# Altium PCB Mynd_Batt.PcbDoc
Units mm, origin at the board's own origin, x right, y up, seen from the top; angles counter-clockwise.
Board outline 41 x 21 mm, 2 copper layers (Component Side, Solder Side), stack 1.58 mm thick; 15 components, 4 nets, 66 pads, 30 vias.
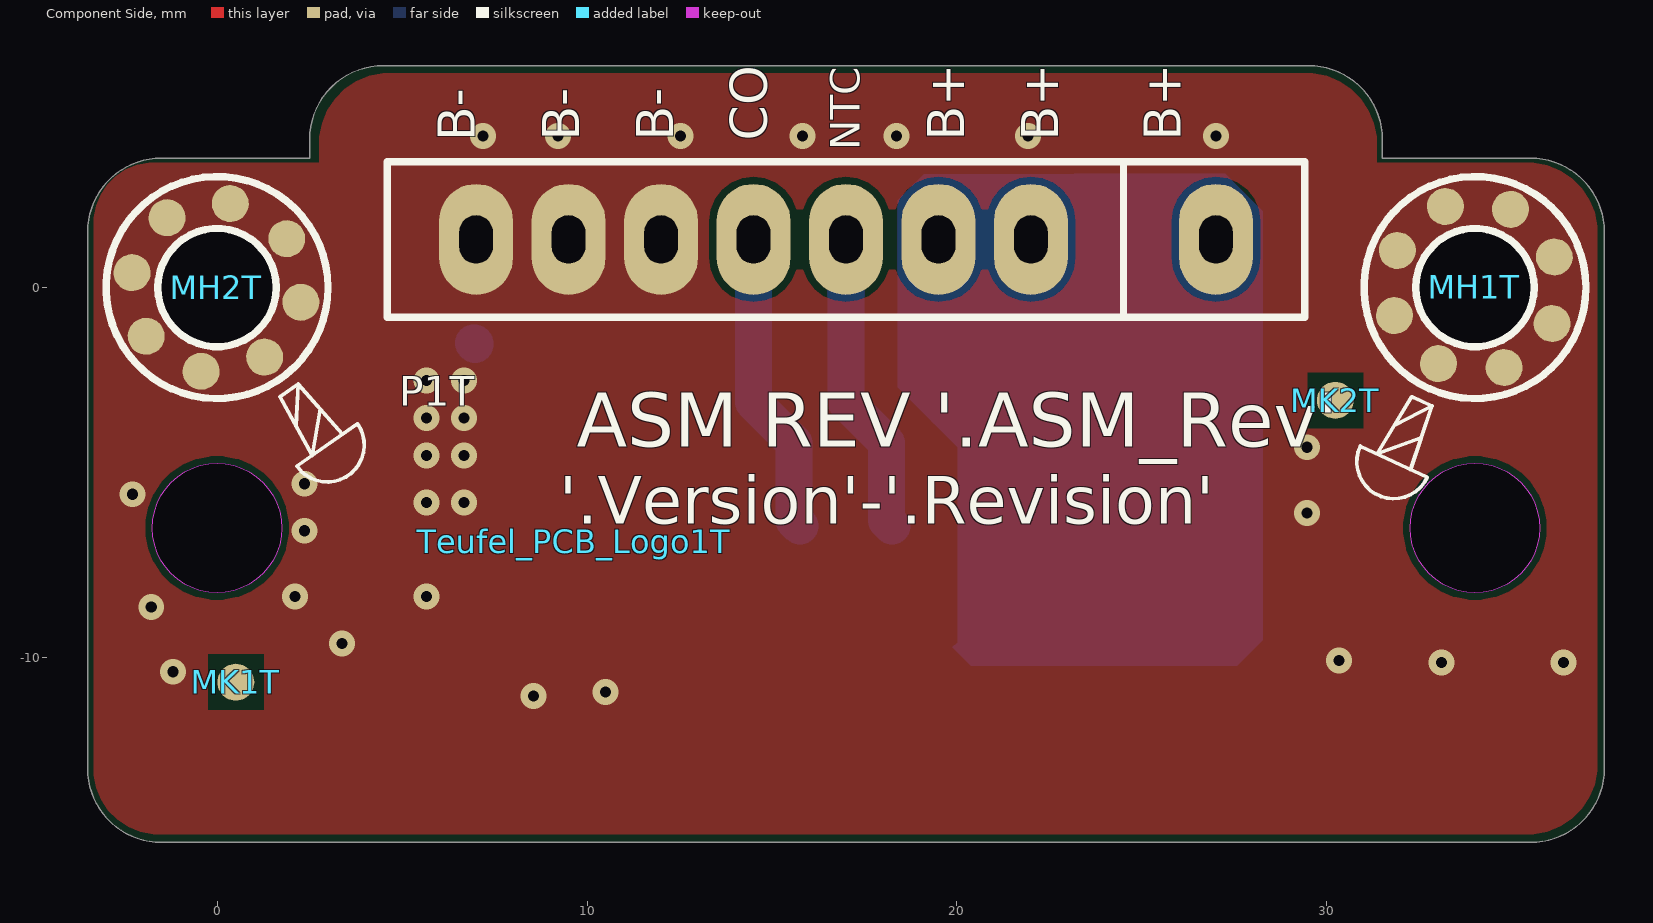
[diagram p0: Component Side view]
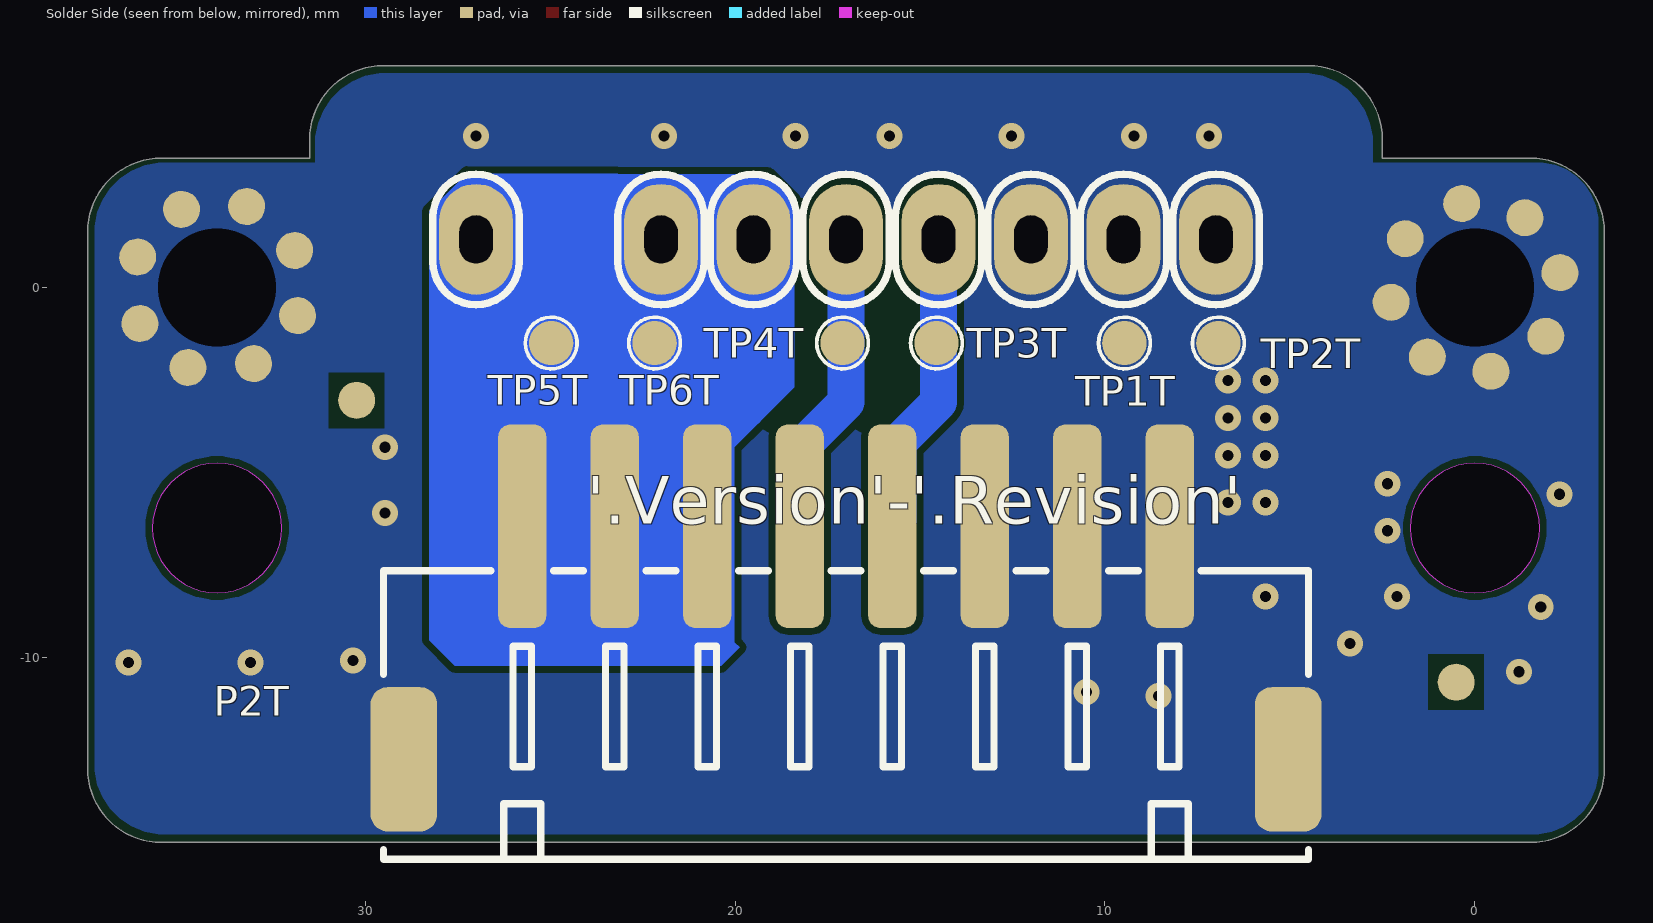
[diagram p1: Solder Side view, seen from below]

## Layer stack, top to bottom
Top Solder: solder mask 0.0102, Solder Resist, Dk 3.5
Component Side: signal copper 0.035
Dielectric1: core 1.5097, FR-4, Dk 4.2
Solder Side: signal copper 0.035
Bottom Solder: solder mask 0.0102, Solder Resist, Dk 3.5

## Board outline
-3.5,-13 -3.5,1.5 cw(c-1.5,1.5) -1.5,3.5 2.5,3.5 2.5,4 cw(c4.5,4) 4.5,6 29.5,6 cw(c29.5,4) 31.5,4 31.5,3.5 35.5,3.5 cw(c35.5,1.5) 37.5,1.5 37.5,-13 cw(c35.5,-13) 35.5,-15 -1.5,-15 cw(c-1.5,-13)
cut-out: 34,-8.25 cw(c34,-6.5) 32.25,-6.5 cw(c34,-6.5) 34,-4.75 cw(c34,-6.5) 35.75,-6.5 cw(c34,-6.5)
cut-out: 0,-8.25 cw(c0,-6.5) -1.75,-6.5 cw(c0,-6.5) 0,-4.75 cw(c0,-6.5) 1.75,-6.5 cw(c0,-6.5)

## Design rules (kind name [scope] priority, off if disabled: settings)
AssemblyTestPointUsage [HasFootprint('PAD-NDK-06')] p1:
AssemblyTestpoint [HasFootprint('PAD-NDK-06')] p1: testpointundercomponent=TRUE minsize=1.016 maxsize=2.54 preferedsize=1.524 minholesize=0 maxholesize=1.016 preferedholesize=0.813 testpointgrid=0.025 usegrid=TRUE gridtolerance=0 allowsidetop=TRUE allowsidebottom=TRUE
Clearance [All] p1: gap=0.18 ignorepadtopadclearanceinfootprint=FALSE
Clearance Clearance_Poly [All] p2 off: gap=0.25 ignorepadtopadclearanceinfootprint=FALSE // Protel DXP Scope 1 Expression Was: InPoly
ComponentClearance ComponentClearance_Termofühler [HasFootprint('SOP65P1420X360_HS-44N') vs HasFootprint('TO-92_MCP9700')] p1: gap=0 collisioncheckmode=3 verticalgap=0.254 showdistances=FALSE
ComponentClearance ComponentClearance_Testpoint [InComponent('TP*')] p2: gap=0 collisioncheckmode=3 verticalgap=0.254 showdistances=FALSE
ComponentClearance ComponentClearance_MC16 [OnLayer('Component Side')] p3: gap=0 collisioncheckmode=3 verticalgap=0.254 showdistances=FALSE
ComponentClearance ComponentClearance_1 [All] p4: gap=0.2 collisioncheckmode=3 verticalgap=0.254 showdistances=FALSE
ComponentClearance ComponentClearance_Stiftleiste [HasFootprint('1X04RM254') vs HasFootprint('1X02RM254')] p5: gap=0 collisioncheckmode=3 verticalgap=0.254 showdistances=FALSE
FabricationTestpoint [All] p1: side=3 testpointundercomponent=TRUE minsize=0.5 maxsize=2.54 preferedsize=1.524 minholesize=0 maxholesize=1.016 preferedholesize=0.813 testpointgrid=0.025 allowsidetop=TRUE allowsidebottom=TRUE usegrid=TRUE gridtolerance=0
FanoutControl Fanout_LCC [All] p1 off: bgadir=Out bgaviamode=Centered fanoutstyle=Auto fanoutdirection=Alternating viagrid=0.025 // Protel DXP Scope 1 Expression Was: IsLCC   Fanout_LCC (Default Rule)
FanoutControl Fanout_BGA [All] p2 off: bgadir=Out bgaviamode=Centered fanoutstyle=Auto fanoutdirection=Alternating viagrid=0.025 // Protel DXP Scope 1 Expression Was: IsBGA   Fanout_BGA (Default Rule)
FanoutControl Fanout_SOIC [All] p3 off: bgadir=Out bgaviamode=Centered fanoutstyle=Auto fanoutdirection=Alternating viagrid=0.025 // Protel DXP Scope 1 Expression Was: IsSOIC   Fanout_SOIC (Default Rule)
FanoutControl Fanout_Default [All] p4: bgadir=Out bgaviamode=Centered fanoutstyle=Auto fanoutdirection=Alternating viagrid=0.025 // Fanout_Default (Default Rule)
FanoutControl Fanout_Small [All] p5 off: bgadir=Out bgaviamode=Centered fanoutstyle=Auto fanoutdirection=Alternating viagrid=0.025 // Protel DXP Scope 1 Expression Was: (CompPinCount < 5)   Fanout_Small (Default Rule)
HoleSize [All] p1: absolutevalues=TRUE maxlimit=8 minlimit=0.25 maxpercent=80.000 minpercent=20.000
NetAntennae [All] p1 off: netantennaetolerance=0
PlaneClearance [All] p1: clearance=0.3
PlaneConnect [All] p1: planeconnectstyle=Relief reliefexpansion=0.508 reliefentries=4 reliefconductorwidth=0.5 reliefairgap=0.254
PolygonConnect [All] p1: connectstyle=Direct reliefconductorwidth=0.5 reliefentries=4 polygonreliefangle="45 Angle" airgapwidth=0.254
PolygonConnect PolygonConnect_direct_stepup [All] p2 off: connectstyle=Direct reliefconductorwidth=0.254 reliefentries=4 polygonreliefangle="90 Angle" airgapwidth=0.254 // Protel DXP Scope 1 Expression Was: (InNet('NETC548_1') AND IsNamedPolygon('BOT_STEPUP_L502OUT')) OR (InNet('NetL502_1') AND IsNamedPolygon('BOT_STEPUP_L502IN')) OR     (InNet('NetC504_2') AND IsNamedPolygon('BOT_STEPUP_IN')) OR   (InNet('24V') AND IsNamedPolygon('BOT_STEPUP_24VOUT')) OR (InNet('GND') AND (IsNamedPolygon('BOT_STEPUP_GND') OR                     IsNamedPolygon('BOT_GLOBAL_GND') OR                                    IsNamedPolygon('TOP_GLOBAL_GND')                   ) )
PolygonConnect PolygonConnect_VIA [All] p3 off: connectstyle=Direct reliefconductorwidth=0.2 reliefentries=4 polygonreliefangle="90 Angle" airgapwidth=0.254 // Protel DXP Scope 1 Expression Was: isVia  or HasFootprint('HOLE_3.2_6.0') or  HasFootprint('CAPPR750W80D1600H2500') or HasFootprint('JST_B6P-VH-FB-B') or HasFootprint('JST_B2P-VH-FB-B') or HasFootprint('TE_1734366-3')
PolygonConnect PolygonConnect_direct [All] p4 off: connectstyle=Direct reliefconductorwidth=0.254 reliefentries=4 polygonreliefangle="90 Angle" airgapwidth=0.254 // Protel DXP Scope 1 Expression Was: InNet('OUT_A') or InNet('OUT_B') or InNet('OUT_C') or InNet('OUT_D') or InNet('SW1_N') or InNet('SW1_P') or InNet('SW2_N') or InNet('SW2_P') or InNet('NetC500_1') or InNet('NetC500_2') or IsNamedPolygon('BOTTOM_-5V_GND') or IsNamedPolygon('BOTTOM_5V_GND') or IsNamedPolygon('BOTTOM_3V3_GND') or IsNamedPolygon('TOP_24V') or IsNamedPolygon('BOT_5VChg_SW_Node') or ((InNet('41V')) and IsSMTPin)
PolygonConnect PolygonConnect_GND_RC_1 [All] p5 off: connectstyle=Relief reliefconductorwidth=0.5 reliefentries=4 polygonreliefangle="90 Angle" airgapwidth=0.254 // Protel DXP Scope 1 Expression Was: IsNamedPolygon('GND_RC_1')
RoutingVias [All] p1: holewidth=0.3 width=0.7 viastyle="Through Hole" minholewidth=0.25 minwidth=0.5 maxholewidth=6 maxwidth=8
ShortCircuit ShortCircuit_C_Open_GND [InNet('C_OPEN')] p2: allowed=TRUE
SilkToSolderMaskClearance [All] p1 off: minsilkscreentomaskgap=0.254 clearancetoexposedcopper=TRUE // Protel DXP Scope 1 Expression Was: IsPad
SolderMaskExpansion [All] p1: expansion=0.102 istentingtop=FALSE
SupplyNets "Schematic Supply Nets" [InNet('Bat-')] p1: voltage=0.000
Width [All] p1: maxlimit=20 minlimit=1 preferedwidth=1
16 further rules are at their usual default settings.

## Components (designator, comment, footprint, x,y, rotation, side; value= is the part's Value field where it differs from the comment)
MH1T "SCREW_HOLE" SCREW_D30 34,0 r200 top
MH2T "SCREW_HOLE" SCREW_D30 0,0 r260 top
MK1T "MARK" MARK 0.508,-10.668 r90 top
MK2T "MARK" MARK 30.226,-3.048 r90 top
P1T "8P PITCH=2.5mm" TSB1_05282 27,1.3 r180 top value="8P PITCH=2.5mm"
P2T "WT250MW-084R-0W" CON_250_SMD_H_8P 17,-11.2 r0 bottom locked
Teufel_ASM_Label1T "3.1" Teufel_ASM_Rev 11.781,-37.515 r0 top
Teufel_Copyright1T "2023" TEUFEL_COPYRIGHT 49.125,-44.475 r180 top
Teufel_PCB_Logo1T "" Teufel_NoLogo 9.652,-6.858 r0 top
TP1T "TP12" TP120 9.474,-1.5 r90 bottom
TP2T "TP12" TP120 6.934,-1.5 r90 bottom
TP3T "TP12" TP120 14.554,-1.5 r90 bottom
TP4T "TP12" TP120 17.094,-1.5 r90 bottom
TP5T "TP12" TP120 24.968,-1.5 r90 bottom
TP6T "TP12" TP120 22.174,-1.5 r90 bottom

## Footprints (in the part's own frame and the unit in brackets; to place one, negate y for a bottom-side part, rotate by r counter-clockwise, add the part's x,y. Pads: shape width x height; smd on the part's side, far side on the other; paste and mask are expansions set on the pad)
CON_250_SMD_H_8P [mm] "2.5mm CONNECTOR SMD TOP ENTRY, 2.5-nPÁ¢Ìù"
  rrect50% 1.8x3.9 smd: 0(-11.95,1.55) 0(11.95,1.55)
  rrect50% 1.3x5.5 smd: 1(-8.75,-4.75) 2(-6.25,-4.75) 3(-3.75,-4.75) 4(-1.25,-4.75) 5(1.25,-4.75) 6(3.75,-4.75) 7(6.25,-4.75) 8(8.75,-4.75)
  silkscreen extent -12.5,-3.55 12.5,4.25, body extent -12.5,-5.95 12.5,4.25, height 6
MARK [mm] "MARK DOT 1mm"
  rect 1.5x1.5 on Top Solder: 0(0,0)
  rect 1.5x1.5 on Bottom Solder: 1(0,0)
  round 1 smd far side mask+0: MK_B(0,0)
  round 1 smd mask+0: MKT(0,0)
  Component Side pour cut-out: -0.75,-0.75 0.75,-0.75 0.75,0.75 -0.75,0.75
  Solder Side pour cut-out: -0.75,-0.75 0.75,-0.75 0.75,0.75 -0.75,0.75
SCREW_D30 [mm] "Screw hole D = 3.0mm"
  round 1 smd far side: 1(-2.297,-0.042) 1(-1.626,1.626) 1(-1.624,-1.657) 1(0,2.3) 1(0.003,-2.331) 1(1.629,1.596) 1(1.629,-1.657) 1(2.303,-0.031)
  round 1 smd: 1(-2.297,-0.042) 1(-1.626,1.626) 1(-1.624,-1.657) 1(0,2.3) 1(0.003,-2.331) 1(1.629,1.596) 1(1.629,-1.657) 1(2.303,-0.031)
  round 3 hole 3.2: 1(0,0)
  silkscreen extent -3,-3 4.67,4.67
Teufel_ASM_Rev [mm]
TEUFEL_COPYRIGHT [mm]
Teufel_NoLogo [mm] "Teufel NoLogo"
TP120 [mm] "TEST PAD 1.2mm"
  round 1.2 smd: 1(0,0)
  silkscreen extent -0.7,-0.7 0.7,0.7
TSB1_05282 [mm] "Connector PH= 2.5mm 8Pin, TSB1-05282, CEN LINK"
  oval 2x3 hole 0.9 slot 1.3 at 90 deg mask+0: 1(0,0) 2(5,0) 3(7.5,0) 4(10,0) 5(12.5,0) 6(15,0) 7(17.5,0) 8(20,0)
  silkscreen extent -2.4,-2.1 22.4,2.1, body extent -2.27,-2 22.27,2, height 7.2

## Part data
MH1T MH2T: library part N-001-00005-4, "SCREW_HOLE D3.2mm", Design Item ID=SCREW_HOLE
MK1T MK2T: library part N-001-00003-2, "MARK DOT", Design Item ID=MARK
P1T: library part C-001-0506-10, "SMD BTB CONNECTOR 8P P2.5mm GOLD", Manufacturer=Multi-Sourced, Part_Number="8P PITCH=2.5mm", Part_Type="Connector 8 Pin SMT", System=Connector
P2T: library part C-001-1108-2, "SMD WTB CONNECTOR 8P P2.5mm TIN", Manufacturer=Multi-Sourced, Part_Number=WT250MW-084R-0W, Part_Type="Connector WTB SMT", System=Connector
Teufel_ASM_Label1T: library part CMP-00088-3, "Teufel_ASM_Rev"
Teufel_Copyright1T: library part CMP-00086-3, "Teufel_Copyright_Year"
Teufel_PCB_Logo1T: library part "Teufel NoLogo", "Teufel PCB NoLogo"
TP1T TP2T TP3T TP4T TP5T TP6T: library part N-001-00010-2, "Test Point", Design Item ID=TP

## Via types
v1: diameter 0.7, hole 0.3, Component Side to Solder Side, tented both sides, 30 vias

## Nets (pads, with @x,y where several pads share a name; then routed paths per layer and width w, separated by ;. In a path a pad name is that pad's centre, name@x,y a point inside that pad or via, vN(x,y) a via of type N, cw(c..) or ccw(c..) an arc to the next point about the centre after c; other vN are vias at no path point)
Bat+: P1T.1 P1T.2 P1T.3 P2T.6 P2T.7 P2T.8 TP5T.1 TP6T.1 | length 15.8
  Solder Side w1: 19.5,-1.7 19.691,-1.891 19.691,-3.291 20.75,-4.35 P2T.6 ; TP6T.1@22,-1.7 22.191,-1.891 22.191,-3.291 23.25,-4.35 P2T.7 ; P2T.8 25.75,-4.35 26.809,-3.291 26.809,-1.891 27,-1.7
Bat-: MH1T.1 MH2T.1 P1T.6 P1T.7 P1T.8 P2T.0 P2T.1 P2T.2 P2T.3 TP1T.1 TP2T.1 | length 0.1
  Solder Side w1: TP2T.1@6.934,-1.494 cw(c6.934,-1.539) TP2T.1@6.979,-1.539
  other v1: 8.55,-11.036 10.503,-10.933 -1.194,-10.384 33.096,-10.13 36.398,-10.13 30.323,-10.083 3.378,-9.622 -1.778,-8.636 2.108,-8.352 5.664,-8.352 2.362,-6.574 29.464,-6.096 5.664,-5.812 6.68,-5.812 -2.286,-5.588 2.362,-5.304 5.664,-4.542 6.68,-4.542 29.464,-4.318 5.664,-3.526 6.68,-3.526 5.664,-2.51 6.68,-2.51 7.188,4.094 9.22,4.094 12.522,4.094 15.824,4.094 18.364,4.094 21.92,4.094 27,4.094
C_Open: P1T.5 P2T.4 TP3T.1 | length 8.9
  Solder Side w1: P1T.5@14.575,1.855 ccw(c14.575,1.78) 14.5,1.78 14.5,-0.986 14.5,-3.1 15.6,-4.2 15.6,-6.3 P2T.4
NTC: P1T.4 P2T.5 TP4T.1 | length 8.9
  Solder Side w1: P1T.4@17.115,1.855 ccw(c17.115,1.74) 17,1.74 17,-1.24 17,-3.1 18.1,-4.2 18.1,-6.3 P2T.5
pads on no net: MK1T.0 MK1T.1 MK1T.MK_B MK1T.MKT MK2T.0 MK2T.1 MK2T.MK_B MK2T.MKT

## Polygon pours and split planes (outlines as drawn)
Bat- on Solder Side "NONET_L-01_P-001" (solid, remove dead copper, pour order 0): -1.681,3.379 2.764,3.379 2.764,3.887 cw(c4.669,3.887) 4.669,5.792 29.434,5.792 cw(c29.434,3.887) 31.339,3.887 31.339,3.379 35.403,3.379 cw(c35.403,1.474) 37.308,1.474 37.308,-12.877 cw(c35.403,-12.877) 35.403,-14.782 -1.554,-14.782 cw(c-1.554,-13.004) -3.332,-13.004 -3.332,1.728 cw(c-1.681,1.728)
Bat- on Component Side "NONET_L-01_P-001" (solid, remove dead copper, pour order 1): -1.681,3.379 2.764,3.379 2.764,3.887 cw(c4.669,3.887) 4.669,5.792 29.434,5.792 cw(c29.434,3.887) 31.339,3.887 31.339,3.379 35.403,3.379 cw(c35.403,1.474) 37.308,1.474 37.308,-12.877 cw(c35.403,-12.877) 35.403,-14.782 -1.554,-14.782 cw(c-1.554,-13.004) -3.332,-13.004 -3.332,1.728 cw(c-1.681,1.728)

## Other copper
Solder Side:
  region net Bat+: 27.236,3.096 28.27,2.062 28.27,-9.53 27.575,-10.225 20.375,-10.225 19.875,-9.725 20.015,-9.585 20.015,-3.7 19.405,-3.7 18.4,-2.695 18.4,2.361 19.101,3.062

## Silkscreen, mask and mechanical layers (free items; w line width, h text height)
Top Overlay:
  text "B-" at 6.962,3.96 h1 r90
  text "B-" at 9.787,3.973 h1 r90
  text "B-" at 12.327,3.973 h1 r90
  text "CO" at 14.867,3.973 h1 r90
  text "B+" at 20.201,3.973 h1 r90
  text "B+" at 22.741,3.973 h1 r90
  text "B+" at 26.043,3.973 h1 r90
  text "NTC" at 17.376,3.706 h0.8 r90
Mechanical 1:
  circle w0.15: c0,0 r1.6
  circle w0.15: c7,1.3 r0.6
  circle w0.15: c12,1.3 r0.6
  circle w0.15: c14.5,1.3 r0.6
  circle w0.15: c9.5,1.3 r0.6
  circle w0.15: c34,0 r1.6
  circle w0.15: c27,1.3 r0.6
  circle w0.15: c22,1.3 r0.6
  circle w0.15: c17,1.3 r0.6
  circle w0.15: c19.5,1.3 r0.6
  circle w0.15: c0,-6.5 r1.75
  circle w0.15: c34,-6.5 r1.75
  lines w0.15: -3.5,-13 ccw(c-1.5,-13) -1.5,-15 35.5,-15 ccw(c35.5,-13) 37.5,-13 37.5,1.5 ccw(c35.5,1.5) 35.5,3.5 31.5,3.5 31.5,4 ccw(c29.5,4) 29.5,6 4.5,6 ccw(c4.5,4) 2.5,4 2.5,3.5 -1.5,3.5 ccw(c-1.5,1.5) -3.5,1.5 -3.5,-13
Mechanical 2:
  drawing of 590 lines, arcs and shapes, not listed
  text "Layer" at -23.105,-20.828 h1.52
  text "Name" at -12.693,-20.828 h1.52
  text "Material" at 11.176,-20.828 h1.52
  text "Thickness" at 33.014,-20.828 h1.52
  text "Constant" at 49.52,-20.828 h1.52
  text "Top Overlay" at -12.693,-23.876 h1.52
  text "Top Solder" at -12.693,-26.924 h1.52
  text "Solder Resist" at 11.176,-26.924 h1.52
  text "0,010mm" at 33.014,-26.924 h1.52
  text "3.5" at 49.52,-26.924 h1.52
  text "1" at -23.105,-29.972 h1.52
  text "Component Side" at -12.693,-29.972 h1.52
  text "0,035mm" at 33.014,-29.972 h1.52
  text "Dielectric1" at -12.693,-33.02 h1.52
  text "FR-4" at 11.176,-33.02 h1.52
  text "1,510mm" at 33.014,-33.02 h1.52
  text "4.2" at 49.52,-33.02 h1.52
  text "2" at -23.105,-36.068 h1.52
  text "Solder Side" at -12.693,-36.068 h1.52
  text "0,035mm" at 33.014,-36.068 h1.52
  text "Bottom Solder" at -12.693,-39.116 h1.52
  text "Solder Resist" at 11.176,-39.116 h1.52
  text "0,010mm" at 33.014,-39.116 h1.52
  text "3.5" at 49.52,-39.116 h1.52
  text "Bottom Overlay" at -12.693,-42.164 h1.52
  text "Total board thickness:" at -23.105,-45.212 h1.52
  text "1,600mm" at 33.014,-45.212 h1.52
  text "Minimum Track Width: 1.0mm" at -22.352,-48.768 h1.52
Top Assembly:
  drawing of 549 lines, arcs and shapes, not listed
Drill Drawing:
  lines w0.1: -3.5,-13 ccw(c-1.5,-13) -1.5,-15 35.5,-15 ccw(c35.5,-13) 37.5,-13 37.5,1.5 ccw(c35.5,1.5) 35.5,3.5 31.5,3.5 31.5,4 ccw(c29.5,4) 29.5,6 4.5,6 ccw(c4.5,4) 2.5,4 2.5,3.5 -1.5,3.5 ccw(c-1.5,1.5) -3.5,1.5 -3.5,-13
  lines w0.381: -28.191,17.145 71.301,17.145 ; -28.191,28.575 71.301,28.575 ; -13.589,13.335 -13.589,32.385 ; 4.745,13.335 4.745,32.385 ; 17.594,13.335 17.594,32.385 ; 36.233,13.335 36.233,32.385 ; 51.215,13.335 51.215,32.385 ; -28.191,13.335 71.301,13.335 71.301,32.385 -28.191,32.385 -28.191,13.335
  text "Count" at -25.905,29.718 h1.83
  text "Hole Size" at -12.446,29.718 h1.83
  text "Plated" at 5.888,29.718 h1.83
  text "Hole Type" at 18.737,29.718 h1.83
  text "Via/Pad" at 37.376,29.718 h1.83
  text "Pad Shape" at 52.358,29.718 h1.83
  text "6" at -25.905,25.908 h1.52
  text "0,300mm" at -12.446,25.908 h1.52
  text "PTH" at 5.888,25.908 h1.52
  text "Round" at 18.737,25.908 h1.52
  text "Via" at 37.376,25.908 h1.52
  text "Rounded" at 52.358,25.908 h1.52
  text "4" at -25.905,22.098 h1.52
  text "0,800mm" at -12.446,22.098 h1.52
  text "PTH" at 5.888,22.098 h1.52
  text "Round" at 18.737,22.098 h1.52
  text "Pad" at 37.376,22.098 h1.52
  text "Rounded" at 52.358,22.098 h1.52
  text "6" at -25.905,18.288 h1.52
  text "1,000mm" at -12.446,18.288 h1.52
  text "PTH" at 5.888,18.288 h1.52
  text "Round" at 18.737,18.288 h1.52
  text "Pad" at 37.376,18.288 h1.52
  text "Rounded" at 52.358,18.288 h1.52
  text "16 Total" at -25.905,14.478 h1.52

## Text inside footprints (layer, text, board x,y; h text height)
Teufel_ASM_Label1T: Top Overlay "ASM REV '.ASM_Rev'" at 9.728,-4.796 h2.5
Teufel_Copyright1T: Top Overlay "Copyright © '.Copyright_Year' Lautsprecher Teufel GmbH" at -2.21,-14.448 h2